# Allegro board reServer industrial J401 Carrier Board v11.brd (continued)
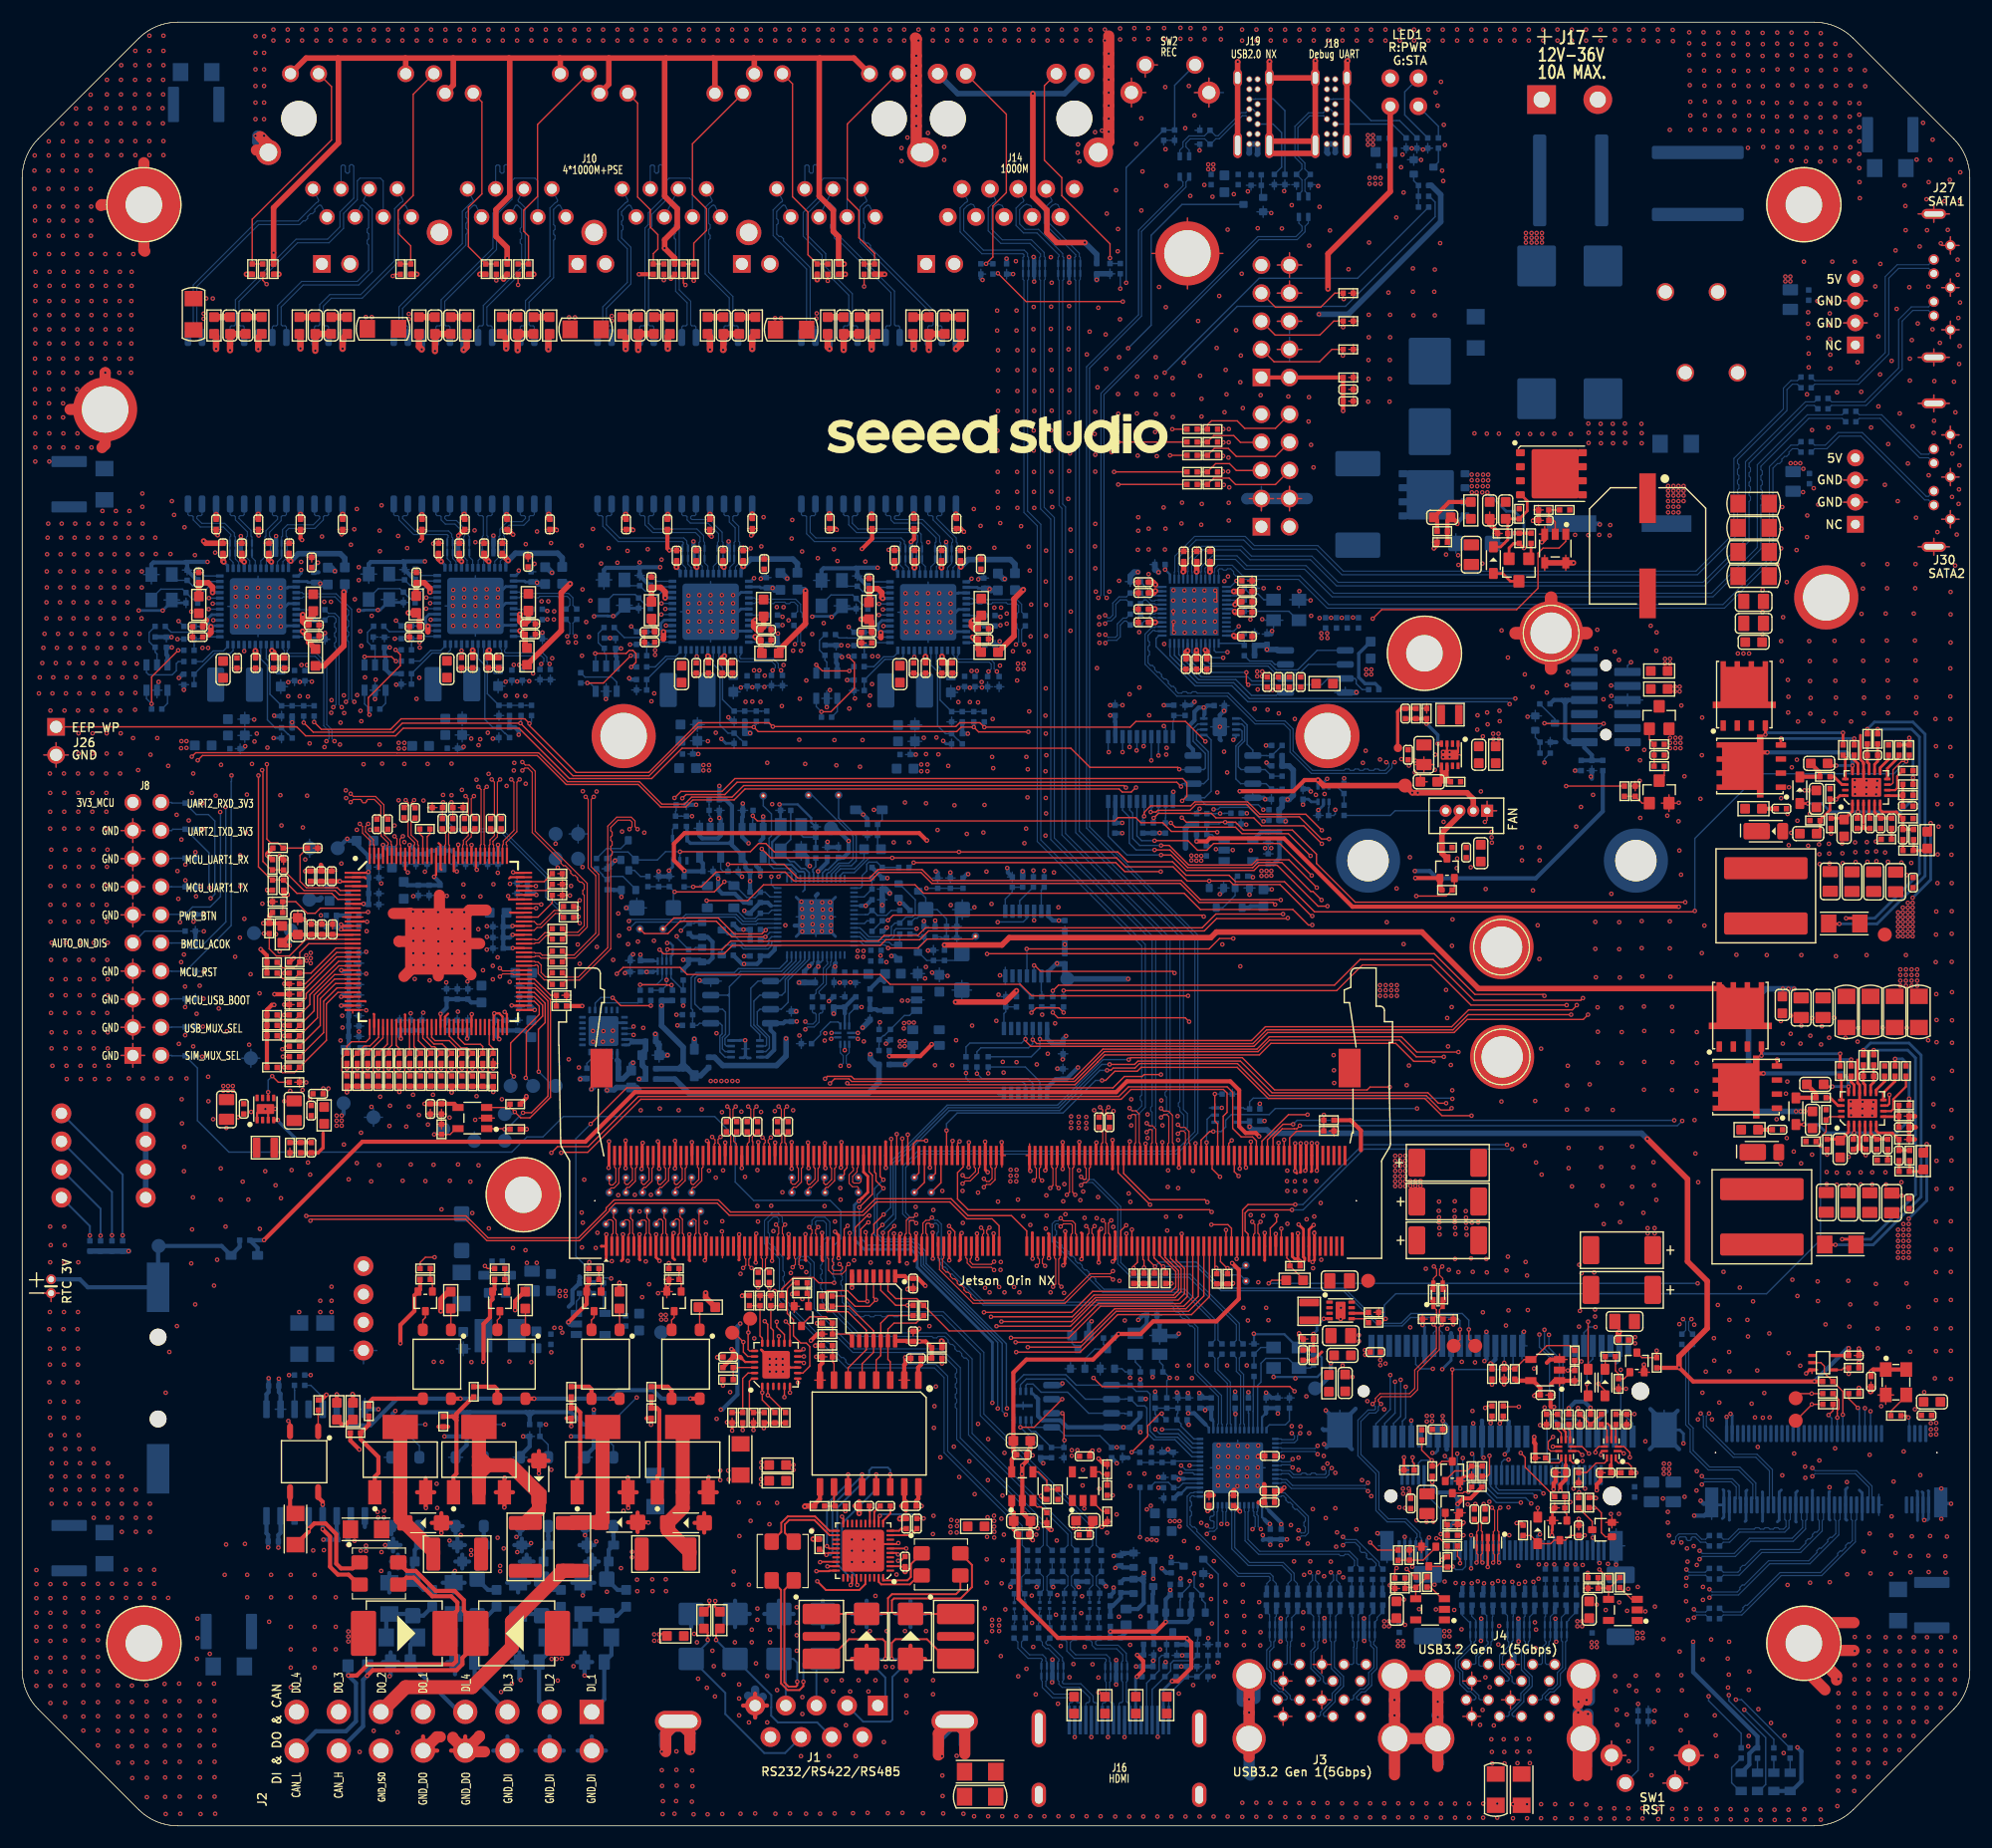
[diagram p0: board, top side]
## Placement (name value [footprint] x y rotation side) (continued)
TP5  Test Point  [TP28C8D]  55.82 81.05 0 top
TP6  Test Point  [TP28C8D]  57.9 81.05 0 top
TP7  Test Point  [TP28C8D]  75.57 58.6 180 top
TP8  Test Point  [TP28C8D]  53.06 57.23 0 top
TP9  Test Point  [TP28C8D]  53.06 58.58 0 top
TP10  Test Point  [TP28C8D]  56.06 57.23 0 top
TP11  Test Point  [TP28C8D]  56.06 58.58 0 top
TP12  Test Point  [TP28C8D]  54.56 57.23 180 top
TP13  Test Point  [TP28C8D]  69.56 58.58 0 top
TP14  Test Point  [TP28C8D]  71.01 58.58 0 top
TP15  Test Point  [TP28C8D]  72.51 58.58 0 top
TP16  Test Point  [TP28C8D]  73.99 58.58 0 top
TP17  Test Point  [TP28C8D]  75.57 57.25 180 top
TP18  Test Point  [TP28C8D]  54.56 58.58 180 top
TP19  Test Point  [TP28C8D]  57.51 57.23 0 top
TP20  Test Point  [TP28C8D]  57.51 58.58 0 top
TP21  Test Point  [TP28C8D]  60.51 57.23 270 top
TP22  Test Point  [TP28C8D]  60.51 58.58 90 top
TP23  Test Point  [TP28C8D]  69.56 57.23 0 top
TP24  Test Point  [TP28C8D]  71.01 57.23 0 top
TP25  Test Point  [TP28C8D]  72.56 57.23 0 top
TP26  Test Point  [TP28C8D]  53.51 55.58 0 top
TP27  Test Point  [TP28C8D]  55.01 55.58 180 top
TP28  Test Point  [TP28C8D]  56.51 55.58 0 top
TP29  Test Point  [TP28C8D]  58.06 55.58 0 top
TP30  Test Point  [TP28C8D]  59.61 55.58 0 top
TP31  Test Point  [TP28C8D]  61.31 55.53 0 top
TP32  Test Point  [TP28C8D]  59.01 57.23 0 top
TP33  Test Point  [TP28C8D]  59.01 58.58 0 top
TP34  Test Point  [TP28C8D]  80.63 57.25 0 top
TP35  Test Point  [TP28C8D]  80.63 58.6 0 top
TP36  Test Point  [TP28C8D]  60.46 54.43 0 top
TP37  Test Point  [TP28C8D]  82.15 57.25 0 top
TP38  Test Point  [TP28C8D]  82.15 58.6 0 top
TP39  Test Point  [TP30C_SMD]  124.32 97.41 90 top
TP40  Test Point  [TP60C_SMD]  29.05 65.3 90 bottom
TP41  Test Point  [TP28C8D]  52.76 54.38 180 top
TP42  Test Point  [TP28C8D]  54.31 54.38 180 top
TP43  Test Point  [TP28C8D]  55.81 54.38 0 top
TP44  Test Point  [TP28C8D]  57.31 54.38 0 top
TP45  Test Point  [TP28C8D]  58.86 54.38 0 top
TP46  Test Point  [TP60C_SMD]  116.83 39.54 180 bottom
TP47  Test Point  [TP60C_SMD]  94.44 76.54 180 bottom
TP48  Test Point  [TP60C_SMD]  12.34 52.4 270 bottom
TP49  Test Point  [TP60C_SMD]  73.09 90.15 180 bottom
TP50  Test Point  [TP60C_SMD]  31.75 64.03 180 bottom
TP51  Test Point  [TP60C_SMD]  40.86 61.9 180 bottom
TP52  Test Point  [TP60C_SMD]  25.95 83.7 270 bottom
TP53  Test Point  [TP60C_SMD]  50.24 89.64 180 bottom
TP54  Test Point  [TP28C8D]  110.59 49.24 90 top
TP55  Test Point  [TP60C_SMD]  20.67 69.37 0 bottom
TP56  Test Point  [TP60C_SMD]  25.97 88.35 180 bottom
TP57  Test Point  [TP60C_SMD]  28.51 88.35 270 bottom
TP58  Test Point  [TP60C_SMD]  24.27 80.93 270 bottom
TP59  Test Point  [TP28C8D]  110.57 50.65 90 top
TP60  Test Point  [TP60C_SMD]  124.96 94.01 0 top
TP61  Test Point  [TP60C_SMD]  44.14 66.87 270 bottom
TP62  Test Point  [TP60C_SMD]  46.17 66.87 270 bottom
TP63  Test Point  [TP60C_SMD]  48.21 66.87 270 bottom
TP64  Test Point  [TP60C_SMD]  50.24 87.4 180 bottom
TP65  Test Point  [TP60C_SMD]  48.21 87.4 180 bottom
TP66  Test Point  [TP60C_SMD]  48.21 89.64 180 bottom
TP67  Test Point  [TP60C_SMD]  20.95 80.67 90 bottom
TP68  Test Point  [TP60C_SMD]  43.61 61.92 90 bottom
TP69  Test Point  [TP60C_SMD]  43.61 64.33 90 bottom
TP70  Test Point  [TP60C_SMD]  38.07 62.97 90 bottom
TP71  Test Point  [TP60C_SMD]  168.31 80.54 0 top
TP72  Test Point  [TP60C_SMD]  57.75 44.59 180 bottom
TP73  Test Point  [TP60C_SMD]  121.63 49.25 0 top
TP74  Test Point  [TP60C_SMD]  131.3 43.38 0 top
TP75  Test Point  [TP60C_SMD]  129.36 43.38 0 top
TP76  Test Point  [TP60C_SMD]  64.16 44.56 0 top
TP77  Test Point  [TP60C_SMD]  65.79 45.83 0 top
TP78  Test Point  [TP60C_SMD]  160.26 38.65 270 top
TP79  Test Point  [TP60C_SMD]  160.26 36.61 270 top
U1  SGM2588CYN5G/TR  [SOT23-5]  127.22 19.57 90 top
U2  TPD4E02B04DQAR  [USON10_0D5_2D5X1X0D5MM]  131.85 17.73 0 bottom
U3  TPD4E02B04DQAR  [USON10_0D5_2D5X1X0D5MM]  135.22 17.73 0 bottom
U4  TPD4E02B04DQAR  [USON10_0D5_2D5X1X0D5MM]  138.59 17.73 0 bottom
U5  SGM2588CYN5G/TR  [SOT23-5]  144.65 19.52 90 top
U6  TXS0104EPWR  [TSSOP14_0D65_5X4D4X1D2MM]  90.79 79.73 180 bottom
U7  TPT71044-SOBR  [SOIC16_1R27_10R3X7R5MM]  26.52 32.83 0 bottom
U8  USB5744T-I/2G  [VQFN56_0D4_7X7X1MM]  109.84 32.36 180 bottom
U9  SY6280AAC  [SOT23-5]  51.38 45.36 90 bottom
U10  IB0505S-W75R3  [CONVERTER4P_2R54_11R6X6MM]  30.84 46.77 90 bottom
U11  GD25Q40ETIGR  [SOIC8_1D27_4_9X3_9MM]  95.73 37.92 90 bottom
U12  GD25Q40EEIGR  [USON8_0D5_3X2X0_6MM]  90.45 37.97 180 bottom
U13  UM805RE  [SOT_143]  101.69 43.57 270 bottom
U14  ETA3410D2I-T  [DFN8G_0D5_2X2MM_3410]  119.14 46.58 0 top
U15  CAT24C02VP2IGT3A  [UDFN8_0D5_2X3X0_6MM]  108.23 99.32 270 bottom
U16  AT24C256C-SSHL-T  [SOIC8_1D27_4_9X3_9MM]  108.51 94.82 270 bottom
U17  SN74LVC1T45DRLR  [SOT6]  117.59 93.2 270 bottom
U18  TXB0108PWR  [TSSOP20-0_65-6_5X4_4X1MM]  101.06 95.5 0 bottom
U19  SN74LV1T125DBVR  [SOT23-5]  62.17 88.85 0 bottom
U20  SN74LV1T125DBVR  [SOT23-5]  66.01 88.82 0 bottom
U21  74LVC1G07GW  [SOT353]  59.43 88.22 180 bottom
U22  LC1458CB5TR18  [SOT23-5]  109.91 88.18 90 bottom
U23  RP2040  [QFN56_0D4_7X7X0_9MM]  71.72 82.15 0 bottom
U24  TXB0302DQMR  [X2SON8_0D4_1_8X1_2X0_4MM]  58.03 77.69 0 bottom
U25  MP9928GL-Z  [QFN20_0D5_3X4X1MM_PAD]  166.29 64.84 90 top
U26  LC1458CB5TR33  [SOT23-5]  79.54 74.64 270 bottom
U27  GD25Q40EEIGR  [USON8_0D5_3X2X0_6MM]  65.36 70.22 90 bottom
U28  GD25Q40ETIGR  [SOIC8_1D27_4_9X3_9MM]  64.93 74.43 90 bottom
U29  SGM7222YWQ10/TR  [WQFN10_0D4_1_8X1_4X0_75MM]  74.33 71.46 270 bottom
U30  LAN7430-I/Y9X  [QFN48_0D5_7X7MM]  40.96 110.24 270 bottom
U31  MP9928GL-Z  [QFN20_0D5_3X4X1MM_PAD]  166.64 93.85 90 top
U32  TPD4E02B04DQAR  [USON10_0D5_2D5X1X0D5MM]  19.77 115.48 180 bottom
U33  74LVC1G07GW  [SOT353]  108.81 64.24 90 bottom
U34  74LVC1G07GW  [SOT353]  162.73 41.86 270 top
U35  SY6280AAC  [SOT23-5]  95.86 30.7 0 top
U36  SY6280AAC  [SOT23-5]  90.37 30.69 0 top
U37  93LC66AT-I/OT  [SOT23_6]  12.19 103.77 180 bottom
U38  LAN7430-I/Y9X  [QFN48_0D5_7X7MM]  21.32 110.2 270 bottom
U39  TPD4E02B04DQAR  [USON10_0D5_2D5X1X0D5MM]  93.1 13.99 0 bottom
U40  TPD4E02B04DQAR  [USON10_0D5_2D5X1X0D5MM]  98.86 13.94 0 bottom
U41  TPD4E02B04DQAR  [USON10_0D5_2D5X1X0D5MM]  117.69 17.73 0 bottom
U42  F81439N  [QFN40_0D4_5X5MM]  76 24.86 180 top
U43  TPD4E02B04DQAR  [USON10_0D5_2D5X1X0D5MM]  132.44 25.6 180 top
U44  ISO6742DWR  [SOIC16_1R27_10R3X7R5MM]  76.54 35.46 180 top
U45  SGM7222YWQ10/TR  [WQFN10_0D4_1_8X1_4X0_75MM]  139.48 34.07 90 top
U46  SGM7222YWQ10/TR  [WQFN10_0D4_1_8X1_4X0_75MM]  143.6 34.07 90 top
U47  TXB0104PWR  [TSSOP14_0D65_5X4D4X1D2MM]  76.93 46.76 180 top
U48  LAN7430-I/Y9X  [QFN48_0D5_7X7MM]  62.21 109.72 270 bottom
U49  NCP301LSN20T1G  [SOT23-5]  138.53 115.43 180 top
U51  PCA9535RGER  [VQFN24_0D5_4X4X1MM]  68.13 41.67 90 top
U52  93LC66AT-I/OT  [SOT23_6]  31.89 103.77 180 bottom
U53  SN74LV1T125DBVR  [SOT23-5]  137.62 41.19 90 top
U54  CP2102N-A02-GQFN24R  [QFN24_0D5_4X4MM]  52.53 71.82 180 bottom
U55  93LC66AT-I/OT  [SOT23_6]  52.78 103.67 180 bottom
U56  TPD4E02B04DQAR  [USON10_0D5_2D5X1X0D5MM]  60.67 114.99 180 bottom
U57  TXB0104PWR  [TSSOP14_0D65_5X4D4X1D2MM]  90.67 69.13 180 bottom
U59  TPD4E02B04DQAR  [USON10_0D5_2D5X1X0D5MM]  22.94 115.48 180 bottom
U60  TPD4E02B04DQAR  [USON10_0D5_2D5X1X0D5MM]  94.61 140.74 180 bottom
U61  TPD4E02B04DQAR  [USON10_0D5_2D5X1X0D5MM]  91.44 140.74 180 bottom
U63  PI7C9X2G404SLBFDE  [LQFP128_0D4_16X16X1_6MM]  37.61 79.93 0 top
U64  ETA3410D2I-T  [DFN8G_0D5_2X2MM_3410]  21.98 64.78 90 top
U65  FT24C32A-ELRT  [SOT23-5]  40.68 63.96 90 top
U66  TPD4E02B04DQAR  [USON10_0D5_2D5X1X0D5MM]  39.41 115.52 180 bottom
U67  TPD4E02B04DQAR  [USON10_0D5_2D5X1X0D5MM]  42.59 115.52 180 bottom
U68  TPD4E02B04DQAR  [USON10_0D5_2D5X1X0D5MM]  121.24 17.73 0 bottom
U69  TPD4E02B04DQAR  [USON10_0D5_2D5X1X0D5MM]  113.72 17.73 0 bottom
U70  TPD4E02B04DQAR  [USON10_0D5_2D5X1X0D5MM]  63.84 114.99 180 bottom
U71  LAN7430-I/Y9X  [QFN48_0D5_7X7MM]  81.87 109.67 270 bottom
U72  93LC66AT-I/OT  [SOT23_6]  72.71 103.03 180 bottom
U73  TPD4E02B04DQAR  [USON10_0D5_2D5X1X0D5MM]  80.32 114.95 180 bottom
U74  TPD4E02B04DQAR  [USON10_0D5_2D5X1X0D5MM]  83.5 114.95 180 bottom
U75  GD25Q40ETIGR  [SOIC8_1D27_4_9X3_9MM]  116.86 104.32 270 bottom
U76  JMB582QH  [QFN48_0D4_6X6_EP]  105.92 109.76 90 bottom
U77  ETA3410D2I-T  [DFN8G_0D5_2X2MM_3410]  129 96.79 270 top
X1  25MHz CL=12pF  [X4-SMD-3_2X2_5X1_0MM]  114.23 42.31 0 bottom
X2  12MHz CL=18pF  [X4-SMD-3_2X2_5X1_0MM]  69.47 89.27 270 bottom
X3  25MHz CL=12pF  [X4-SMD-3_2X2_5X1_0MM]  12.6 111.93 270 bottom
X4  25MHz CL=12pF  [X4-SMD-3_2X2_5X1_0MM]  32.25 111.97 270 bottom
X5  25MHz CL=12pF  [X4-SMD-3_2X2_5X1_0MM]  53.5 111.45 270 bottom
X6  25MHz CL=12pF  [X4-SMD-3_2X2_5X1_0MM]  73.16 111.4 270 bottom
X7  25MHz 18pF  [X4-SMD-3_2X2_5X1_0MM]  114.23 109.88 0 bottom

## Library data of the parts
C1 C2 C4-C64 C67-C146 C149-C202 C204-C237 C239 C241 C243-C261 C264-C286 C290-C302 C305 C314-C426 C428-C463 C465-C503 C505-C564 C568-C573 C576 C577 C579-C584 = CC
C3 C65 C66 C147 C148 C203 C238 C240 C242 = CT
D1 D3-D10 D20 D22-D25 D27 D28 D30 D35 D37 D42 D43 D45 D46 D49-D60 D65 D66 D68 D71-D79 D90-D93 D95-D100 D102-D104 = DIODE TVS BI-DIR
D2 = DIODE TVS BI-DIR DUAL
D11-D14 D21 D32 D33 D38 D44 D61-D64 = DIODE TVS
D15-D19 D26 D29 D31 D34 D36 D39-D41 D47 D48 D67 D69 D70 D87-D89 D94 = D_Schottky
F1-F5 = Fuse
FB1-FB36 = FB
G1 G2 = GDT_2P
J1 = DB9
J2 = Terminal 2X8
J3 J4 = USB3.0_Dual Type A_18+4P
J5 = MINI_PCIE_52P_For_EG25-G
J6 = CON_M2_PCI_EXP_KEYB
J7 = Header 1x4
J8 = Header 2x10
J9 = CON_SODIMM260_JETSON_Orin NX
J10 = RJ45_1x4_LPJE104-0BENL
J11 = Header 2x7 13P
J12 J13 J17 J20 J23 J24 J26 = Header 1x2
J14 = RJ45_LPJG0933H11NL
J15 J25 = Header 2X5
J16 = HDMI_Type A_19P
J18 J19 = USB2.0_Type C_16+4P-Vert
J21 = PCIe_M.2_Key M_75Pin
J22 = BAT Holder 2P
J27 J30 = SATA-03A125
J28 J29 = Header_4P
L1-L9 L24 L25 L29 L37-L39 = CL
L10-L13 L15-L23 L30 L34-L36 L40 L41 = L
L14 L26-L28 = CLT
LED1 = LED_R+G
LED2-LED5 = Single LED
MH1-MH4 MH7-MH10 MH14-MH16 = Mhole
MH5 MH6 MH11-MH13 = MHole
OSC2 = OSC_4P
Q1 Q6 Q7 Q9-Q11 Q13-Q15 Q19-Q22 Q24-Q26 Q32 Q33 Q38-Q42 Q48 Q52 Q54-Q56 = NMOS_123
Q2-Q5 Q34-Q37 = Optoisolator_4P
Q8 Q53 = PMOS_123
Q12 Q16 Q43 Q45 = NMOS_5P_1S2S3S4G5D
Q17 Q46 = PMOS_9P
Q18 Q23 = NPN
Q27 = OptoMOS Relay
Q28-Q31 = NMOS_1G2D3S4D
Q44 = PNP
R1-R5 R10-R226 R229-R289 R291-R339 R344-R613 R617 R619 R621 R622 R624 R625 = R
R6-R9 R227 R228 = VDR
R290 = R: signal model: DEFAULT_RESISTOR_120.000000OHM_1_2
R340-R343 = R: signal model: DEFAULT_RESISTOR_100.000000OHM_1_2
SW1 SW2 = Tactile Switch_2+2P
SW3 = DIP Switches_4CH
T1-T4 = LP5004NL
TBU1 TBU2 = TBU_3P
TISP1 TISP2 = TISP
TP1-TP79 = Test Point
U1 U5 = TPS2051BDBV
U2-U4 U32 U39-U41 U43 U56 U59-U61 U66-U70 U73 U74 = TPD4E05U06DQAR
U6 U47 U57 = TXB0104PW
U7 = TPT71044-SOBR
U8 = USB5744
U9 U35 U36 = SY6280
U10 = Isolate DCDC
U11 U28 U75 = QSPI_8P
U12 U27 = QSPI_9P
U13 = UM805_4P
U14 U64 U77 = ETA3410
U15 = EEPROM_8+1P
U16 = CAT24C256
U17 = SN74LVC1T45DRLR
U18 = TXS0108EPWR
U19-U21 U33 U34 U53 = SN74LVC1G07DCK
U22 U26 = LDO_5P_FB_EN
U23 = RP2040
U24 = TXB0302
U25 U31 = MP9928GL
U29 U45 U46 = SGM7222
U30 U38 U48 U71 = LAN7430
U37 U52 U55 U72 = 93LC66AT-I/OT
U42 = F81439N
U44 = ISO6742
U49 = NCP301LSN20T1
U51 = PCA9535RGE
U54 = CP2102N
U63 = PI7C9X2G404SLBFD
U65 = MEM_24LC32_SOT23-5
U76 = JMB582QH
X1-X7 = XTAL_4P

## Footprints (pads in the part's own frame, mm; a bottom-side part is the same pattern mirrored in y, then rotated)
AVX_C
  rrect 1.524x2.54 smd: 1(-2.794,0) 2(2.794,0)
BAT-CR1220
  round 1.524 hole 1.524 unplated: (0,-3.7) (0,3.7)
  rect 2.032x4.47 smd: 1(0,8.2) 2(0,-8.2)
C0402
  rrect 0.5x0.5 smd: 1(-0.463,0) 2(0.463,0)
C0603
  rrect 0.889x0.889 smd: 1(-0.762,0) 2(0.762,0)
C0805
  rrect 1.016x1.397 smd: 1(-0.889,0) 2(0.889,0)
C1206
  rect 1.397x1.626 smd: 1(-1.41,0) 2(1.41,0)
C4532
  rrect 1x3.2 smd: 1(-2.05,0) 2(2.05,0)
CAE-10_5X10_5X10_5MM-S
  rect 4.5x1.5 smd: 1(-4.3,0) 2(4.3,0)
CON_MINIPEX_067_SMT_RA_M2_KEYE_B
  round 1.2 hole 1.2 unplated: (-10,0)
  round 1.7 hole 1.7 unplated: (10,0)
  rrect 0.3x1.8 smd: 1(-9.25,4.9) 2(-9,-1.9) 3(-8.75,4.9) 4(-8.5,-1.9) 5(-8.25,4.9) 6(-8,-1.9) 7(-7.75,4.9) 8(-7.5,-1.9) 9(-7.25,4.9) 10(-7,-1.9) 11(-6.75,4.9) 20(-4.5,-1.9) 21(-4.25,4.9) 22(-4,-1.9) 23(-3.75,4.9) 24(-3.5,-1.9) 25(-3.25,4.9) 26(-3,-1.9) 27(-2.75,4.9) 28(-2.5,-1.9) 29(-2.25,4.9) 30(-2,-1.9) 31(-1.75,4.9) 32(-1.5,-1.9) 33(-1.25,4.9) 34(-1,-1.9) 35(-0.75,4.9) 36(-0.5,-1.9) 37(-0.25,4.9) 38(0,-1.9) 39(0.25,4.9) 40(0.5,-1.9) 41(0.75,4.9) 42(1,-1.9) 43(1.25,4.9) 44(1.5,-1.9) 45(1.75,4.9) 46(2,-1.9) 47(2.25,4.9) 48(2.5,-1.9) 49(2.75,4.9) 50(3,-1.9) 51(3.25,4.9) 52(3.5,-1.9) 53(3.75,4.9) 54(4,-1.9) 55(4.25,4.9) 56(4.5,-1.9) 57(4.75,4.9) 58(5,-1.9) 59(5.25,4.9) 60(5.5,-1.9) 61(5.75,4.9) 62(6,-1.9) 63(6.25,4.9) 64(6.5,-1.9) 65(6.75,4.9) 66(7,-1.9) 67(7.25,4.9) 68(7.5,-1.9) 69(7.75,4.9) 70(8,-1.9) 71(8.25,4.9) 72(8.5,-1.9) 73(8.75,4.9) 74(9,-1.9) 75(9.25,4.9)
  rect 1.2x2.7 smd: 76(-10.35,4.5) 77(10.35,4.5)
CON_SODIMM_260_SMT_0D5_AS0A821_H2SB_7H
  round 0.13 hole 1.1 unplated: (-34.4,0.1)
  round 0.13 hole 1.6 unplated: (34.4,0.1)
  rect 0.28x1.75 smd: 1(33.375,4.2) 2(33.125,-4) 3(32.875,4.2) 4(32.625,-4) 5(32.375,4.2) 6(32.125,-4) 7(31.875,4.2) 8(31.625,-4) 9(31.375,4.2) 10(31.125,-4) 11(30.875,4.2) 12(30.625,-4) 13(30.375,4.2) 14(30.125,-4) 15(29.875,4.2) 16(29.625,-4) 17(29.375,4.2) 18(29.125,-4) 19(28.875,4.2) 20(28.625,-4) 21(28.375,4.2) 22(28.125,-4) 23(27.875,4.2) 24(27.625,-4) 25(27.375,4.2) 26(27.125,-4) 27(26.875,4.2) 28(26.625,-4) 29(26.375,4.2) 30(26.125,-4) 31(25.875,4.2) 32(25.625,-4) 33(25.375,4.2) 34(25.125,-4) 35(24.875,4.2) 36(24.625,-4) 37(24.375,4.2) 38(24.125,-4) 39(23.875,4.2) 40(23.625,-4) 41(23.375,4.2) 42(23.125,-4) 43(22.875,4.2) 44(22.625,-4) 45(22.375,4.2) 46(22.125,-4) 47(21.875,4.2) 48(21.625,-4) 49(21.375,4.2) 50(21.125,-4) 51(20.875,4.2) 52(20.625,-4) 53(20.375,4.2) 54(20.125,-4) 55(19.875,4.2) 56(19.625,-4) 57(19.375,4.2) 58(19.125,-4) 59(18.875,4.2) 60(18.625,-4) 61(18.375,4.2) 62(18.125,-4) 63(17.875,4.2) 64(17.625,-4) 65(17.375,4.2) 66(17.125,-4) 67(16.875,4.2) 68(16.625,-4) 69(16.375,4.2) 70(16.125,-4) 71(15.875,4.2) 72(15.625,-4) 73(15.375,4.2) 74(15.125,-4) 75(14.875,4.2) 76(14.625,-4) 77(14.375,4.2) 78(14.125,-4) 79(13.875,4.2) 80(13.625,-4) 81(13.375,4.2) 82(13.125,-4) 83(12.875,4.2) 84(12.625,-4) 85(12.375,4.2) 86(12.125,-4) 87(11.875,4.2) 88(11.625,-4) 89(11.375,4.2) 90(11.125,-4) 91(10.875,4.2) 92(10.625,-4) 93(10.375,4.2) 94(10.125,-4) 95(9.875,4.2) 96(9.625,-4) 97(9.375,4.2) 98(9.125,-4) 99(8.875,4.2) 100(8.625,-4) 101(8.375,4.2) 102(8.125,-4) 103(7.875,4.2) 104(7.625,-4) 105(7.375,4.2) 106(7.125,-4) 107(6.875,4.2) 108(6.625,-4) 109(6.375,4.2) 110(6.125,-4) 111(5.875,4.2) 112(5.625,-4) 113(5.375,4.2) 114(5.125,-4) 115(4.875,4.2) 116(4.625,-4) 117(4.375,4.2) 118(4.125,-4) 119(3.875,4.2) 120(3.625,-4) 121(3.375,4.2) 122(3.125,-4) 123(2.875,4.2) 124(2.625,-4) 125(2.375,4.2) 126(2.125,-4) 127(1.875,4.2) 128(1.625,-4) 129(1.375,4.2) 130(1.125,-4) 131(0.875,4.2) 132(0.625,-4) 133(0.375,4.2) 134(0.125,-4) 135(-0.125,4.2) 136(-0.375,-4) 137(-0.625,4.2) 138(-0.875,-4) 139(-1.125,4.2) 140(-1.375,-4) 141(-1.625,4.2) 142(-1.875,-4) 143(-2.125,4.2) 144(-2.375,-4) 145(-4.625,4.2) 146(-4.875,-4) 147(-5.125,4.2) 148(-5.375,-4) 149(-5.625,4.2) 150(-5.875,-4) 151(-6.125,4.2) 152(-6.375,-4) 153(-6.625,4.2) 154(-6.875,-4) 155(-7.125,4.2) 156(-7.375,-4) 157(-7.625,4.2) 158(-7.875,-4) 159(-8.125,4.2) 160(-8.375,-4) 161(-8.625,4.2) 162(-8.875,-4) 163(-9.125,4.2) 164(-9.375,-4) 165(-9.625,4.2) 166(-9.875,-4) 167(-10.125,4.2) 168(-10.375,-4) 169(-10.625,4.2) 170(-10.875,-4) 171(-11.125,4.2) 172(-11.375,-4) 173(-11.625,4.2) 174(-11.875,-4) 175(-12.125,4.2) 176(-12.375,-4) 177(-12.625,4.2) 178(-12.875,-4) 179(-13.125,4.2) 180(-13.375,-4) 181(-13.625,4.2) 182(-13.875,-4) 183(-14.125,4.2) 184(-14.375,-4) 185(-14.625,4.2) 186(-14.875,-4) 187(-15.125,4.2) 188(-15.375,-4) 189(-15.625,4.2) 190(-15.875,-4) 191(-16.125,4.2) 192(-16.375,-4) 193(-16.625,4.2) 194(-16.875,-4) 195(-17.125,4.2) 196(-17.375,-4) 197(-17.625,4.2) 198(-17.875,-4) 199(-18.125,4.2) 200(-18.375,-4) 201(-18.625,4.2) 202(-18.875,-4) 203(-19.125,4.2) 204(-19.375,-4) 205(-19.625,4.2) 206(-19.875,-4) 207(-20.125,4.2) 208(-20.375,-4) 209(-20.625,4.2) 210(-20.875,-4) 211(-21.125,4.2) 212(-21.375,-4) 213(-21.625,4.2) 214(-21.875,-4) 215(-22.125,4.2) 216(-22.375,-4) 217(-22.625,4.2) 218(-22.875,-4) 219(-23.125,4.2) 220(-23.375,-4) 221(-23.625,4.2) 222(-23.875,-4) 223(-24.125,4.2) 224(-24.375,-4) 225(-24.625,4.2) 226(-24.875,-4) 227(-25.125,4.2) 228(-25.375,-4) 229(-25.625,4.2) 230(-25.875,-4) 231(-26.125,4.2) 232(-26.375,-4) 233(-26.625,4.2) 234(-26.875,-4) 235(-27.125,4.2) 236(-27.375,-4) 237(-27.625,4.2) 238(-27.875,-4) 239(-28.125,4.2) 240(-28.375,-4) 241(-28.625,4.2) 242(-28.875,-4) 243(-29.125,4.2) 244(-29.375,-4) 245(-29.625,4.2) 246(-29.875,-4) 247(-30.125,4.2) 248(-30.375,-4) 249(-30.625,4.2) 250(-30.875,-4) 251(-31.125,4.2) 252(-31.375,-4) 253(-31.625,4.2) 254(-31.875,-4) 255(-32.125,4.2) 256(-32.375,-4) 257(-32.625,4.2) 258(-32.875,-4) 259(-33.125,4.2) 260(-33.375,-4)
  rect 2x3.5 smd: 261(-33.8,-11.9) 262(33.8,-11.9)
CONVERTER4P_2R54_11R6X6MM
  round 1.8 hole 1: 1(-3.81,0) 2(-1.27,0) 3(1.27,0) 4(3.81,0)
D0402
  rrect 0.5x0.5 smd: 1(-0.463,0) 2(0.463,0)
DFN8G_0D5_2X2MM_3410
  rrect 0.6x0.3 smd: 1(-1,0.75) 2(-1,0.25) 3(-1,-0.25) 4(-1,-0.75) 5(1,-0.75) 6(1,-0.25) 7(1,0.25) 8(1,0.75)
  rrect 0.9x1.6 smd: 9(0,0)
DO_214AA_SMB
  rrect 2.032x2.286 smd: 1(-2.032,0) 2(2.032,0)
DO_214AB_SMC
  rrect 2.286x4.064 smd: 1(-3.683,0) 2(3.683,0)
DSUB9P_1D385_31X18_59X12_48MM
  rect 1.8x1.8 hole 1.036: 1(5.54,-2.84)
  round 1.8 hole 1.036: 2(2.77,-2.84) 3(0,-2.84) 4(-2.77,-2.84) 5(-5.54,-2.84) 6(4.155,0) 7(1.385,0) 8(-1.385,0) 9(-4.155,0)
  oval 4.2x1.9 hole 3.5x1.2: 10(-12.495,-1.42) 11(12.495,-1.42)
F1812
  rrect 1.27x3 smd: 1(-2.159,0) 2(2.159,0)
FUSE2P_HOLDER_9_73X5_03X3_81MM
  rrect 4.24x3.81 smd: 1(-3.185,0) 2(3.185,0)
GDT2P_5D6_8_3X5_5X8_3MM
  rrect 1.2x8.3 smd: 1(-2.8,0) 2(2.8,0)
HDMI19P_0D5_15X12_15X6_18MM
  rrect 0.3x2.6 smd: 1(4.5,0) 2(4,0) 3(3.5,0) 4(3,0) 5(2.5,0) 6(2,0) 7(1.5,0) 8(1,0) 9(0.5,0) 10(0,0) 11(-0.5,0) 12(-1,0) 13(-1.5,0) 14(-2,0) 15(-2.5,0) 16(-3,0) 17(-3.5,0) 18(-4,0) 19(-4.5,0)
  oval 1.3x3.4 hole 0.7x2.8: 20(7.25,-0.76) 21(-7.25,-0.76)
  oval 1.3x2.2 hole 0.7x1.6: 22(7.25,-6.76) 23(-7.25,-6.76)
HEADER2P_1D25_DIP
  round 0.9 hole 0.55: 1(0.625,0) 2(-0.625,0)
HEADER2P_2D54_DIP
  rect 1.6x1.6 hole 1.1: 1(0,1.27)
  round 1.6 hole 1.1: 2(0,-1.27)
HEADER2X5P_2D54_1_DIP
  rect 1.6x1.6 hole 1.1: 1(-1.27,5.08)
  round 1.6 hole 1.1: 2(1.27,5.08) 3(-1.27,2.54) 4(1.27,2.54) 5(-1.27,0) 6(1.27,0) 7(-1.27,-2.54) 8(1.27,-2.54) 9(-1.27,-5.08) 10(1.27,-5.08)
HEADER2X7P_1D27_SMD_NP_EPT14
  round 1.05 hole 1.05 unplated: (-3.125,0) (3.125,0)
  rrect 0.74x2.4 smd: 1(-3.81,-1.95) 2(-3.81,1.95) 3(-2.54,-1.95) 4(-2.54,1.95) 5(-1.27,-1.95) 6(-1.27,1.95) 7(0,-1.95) 8(0,1.95) 9(1.27,-1.95) 10(1.27,1.95) 11(2.54,-1.95) 12(2.54,1.95) 13(3.81,-1.95)
HEADER2X10P_2D54_DIP_90
  rect 1.524x1.524 hole 1.016: 1(0,13.97)
  round 1.524 hole 1.016: 2(2.54,13.97) 3(0,11.43) 4(2.54,11.43) 5(0,8.89) 6(2.54,8.89) 7(0,6.35) 8(2.54,6.35) 9(0,3.81) 10(2.54,3.81) 11(0,1.27) 12(2.54,1.27) 13(0,-1.27) 14(2.54,-1.27) 15(0,-3.81) 16(2.54,-3.81) 17(0,-6.35) 18(2.54,-6.35) 19(0,-8.89) 20(2.54,-8.89)
HEADER4P-2_0-GROVE-DIP
  rect 1.524x1.524 hole 0.813: 1(0,3)
  round 1.524 hole 0.813: 2(0,1) 3(0,-1) 4(0,-3)
JST4P_1D25_6_75X3_2X4_7MM
  rect 1.1x1.1 hole 0.6: 1(-1.875,0)
  round 1.1 hole 0.6: 2(-0.625,0) 3(0.625,0) 4(1.875,0)
L2P_5D0_9X8_5X4_8MM
  rrect 7.55x2 smd: 1(0,2.5) 2(0,-2.5)
L4P_4_75X4_5X_2MM
  rrect 1.5x1.3 smd: 1(-1.75,1) 2(-1.75,-1) 3(1.75,-1) 4(1.75,1)
L4P_15X13X6_5MM
  rrect 3.7x3.5 smd: 1(-6,3) 2(-6,-3) 3(6,-3) 4(6,3)
L4X4MM
  rect 1.6x3 smd: 1(-1.5,0) 2(1.5,0)
L0201
  rrect 0.279x0.318 smd: 1(-0.279,0) 2(0.279,0)
L0402
  rrect 0.5x0.5 smd: 1(-0.463,0) 2(0.463,0)
L0603
  rrect 0.889x0.889 smd: 1(-0.762,0) 2(0.762,0)
L2012
  rrect 0.75x0.4 smd: 1(-0.925,0.425) 2(0.925,0.425) 3(0.925,-0.425) 4(-0.925,-0.425)
L2016
  rrect 0.7x1.8 smd: 1(-0.8,0) 2(0.8,0)
L4242
  rrect 1.55x3.1 smd: 1(-1.75,0) 2(1.75,0)
LED4_2D54_9X4_3X9_65MM
  round 1.6 hole 0.9: 1(1.27,2.54) 2(-1.27,2.54) 3(1.27,0) 4(-1.27,0)
LED0603
  rect 0.762x1.016 smd: 1(-0.826,0) 2(0.826,0)
LQFP128_0D4_16X16X1_6MM
  rect 1.475x0.2 smd: 1(-7.738,6.2) 2(-7.738,5.8) 3(-7.738,5.4) 4(-7.738,5) 5(-7.738,4.6) 6(-7.738,4.2) 7(-7.738,3.8) 8(-7.738,3.4) 9(-7.738,3) 10(-7.738,2.6) 11(-7.738,2.2) 12(-7.738,1.8) 13(-7.738,1.4) 14(-7.738,1) 15(-7.738,0.6) 16(-7.738,0.2) 17(-7.738,-0.2) 18(-7.738,-0.6) 19(-7.738,-1) 20(-7.738,-1.4) 21(-7.738,-1.8) 22(-7.738,-2.2) 23(-7.738,-2.6) 24(-7.738,-3) 25(-7.738,-3.4) 26(-7.738,-3.8) 27(-7.738,-4.2) 28(-7.738,-4.6) 29(-7.738,-5) 30(-7.738,-5.4) 31(-7.738,-5.8) 32(-7.738,-6.2) 65(7.738,-6.2) 66(7.738,-5.8) 67(7.738,-5.4) 68(7.738,-5) 69(7.738,-4.6) 70(7.738,-4.2) 71(7.738,-3.8) 72(7.738,-3.4) 73(7.738,-3) 74(7.738,-2.6) 75(7.738,-2.2) 76(7.738,-1.8) 77(7.738,-1.4) 78(7.738,-1) 79(7.738,-0.6) 80(7.738,-0.2) 81(7.738,0.2) 82(7.738,0.6) 83(7.738,1) 84(7.738,1.4) 85(7.738,1.8) 86(7.738,2.2) 87(7.738,2.6) 88(7.738,3) 89(7.738,3.4) 90(7.738,3.8) 91(7.738,4.2) 92(7.738,4.6) 93(7.738,5) 94(7.738,5.4) 95(7.738,5.8) 96(7.738,6.2)
  rect 0.2x1.475 smd: 33(-6.2,-7.738) 34(-5.8,-7.738) 35(-5.4,-7.738) 36(-5,-7.738) 37(-4.6,-7.738) 38(-4.2,-7.738) 39(-3.8,-7.738) 40(-3.4,-7.738) 41(-3,-7.738) 42(-2.6,-7.738) 43(-2.2,-7.738) 44(-1.8,-7.738) 45(-1.4,-7.738) 46(-1,-7.738) 47(-0.6,-7.738) 48(-0.2,-7.738) 49(0.2,-7.738) 50(0.6,-7.738) 51(1,-7.738) 52(1.4,-7.738) 53(1.8,-7.738) 54(2.2,-7.738) 55(2.6,-7.738) 56(3,-7.738) 57(3.4,-7.738) 58(3.8,-7.738) 59(4.2,-7.738) 60(4.6,-7.738) 61(5,-7.738) 62(5.4,-7.738) 63(5.8,-7.738) 64(6.2,-7.738) 97(6.2,7.738) 98(5.8,7.738) 99(5.4,7.738) 100(5,7.738) 101(4.6,7.738) 102(4.2,7.738) 103(3.8,7.738) 104(3.4,7.738) 105(3,7.738) 106(2.6,7.738) 107(2.2,7.738) 108(1.8,7.738) 109(1.4,7.738) 110(1,7.738) 111(0.6,7.738) 112(0.2,7.738) 113(-0.2,7.738) 114(-0.6,7.738) 115(-1,7.738) 116(-1.4,7.738) 117(-1.8,7.738) 118(-2.2,7.738) 119(-2.6,7.738) 120(-3,7.738) 121(-3.4,7.738) 122(-3.8,7.738) 123(-4.2,7.738) 124(-4.6,7.738) 125(-5,7.738) 126(-5.4,7.738) 127(-5.8,7.738) 128(-6.2,7.738)
  rrect 6x6 smd: 129(0,0)
M2_075_GEN4_MKEY_21_9X5_9MM
  round 0.13 hole 1.1 unplated: (-10,0)
  round 0.13 hole 1.6 unplated: (10,0)
  rrect 0.3x1.55 smd: 1(-9.25,4.725) 2(-9,-1.725) 3(-8.75,4.725) 4(-8.5,-1.725) 5(-8.25,4.725) 6(-8,-1.725) 7(-7.75,4.725) 8(-7.5,-1.725) 9(-7.25,4.725) 10(-7,-1.725) 11(-6.75,4.725) 12(-6.5,-1.725) 13(-6.25,4.725) 14(-6,-1.725) 15(-5.75,4.725) 16(-5.5,-1.725) 17(-5.25,4.725) 18(-5,-1.725) 19(-4.75,4.725) 20(-4.5,-1.725) 21(-4.25,4.725) 22(-4,-1.725) 23(-3.75,4.725) 24(-3.5,-1.725) 25(-3.25,4.725) 26(-3,-1.725) 27(-2.75,4.725) 28(-2.5,-1.725) 29(-2.25,4.725) 30(-2,-1.725) 31(-1.75,4.725) 32(-1.5,-1.725) 33(-1.25,4.725) 34(-1,-1.725) 35(-0.75,4.725) 36(-0.5,-1.725) 37(-0.25,4.725) 38(0,-1.725) 39(0.25,4.725) 40(0.5,-1.725) 41(0.75,4.725) 42(1,-1.725) 43(1.25,4.725) 44(1.5,-1.725) 45(1.75,4.725) 46(2,-1.725) 47(2.25,4.725) 48(2.5,-1.725) 49(2.75,4.725) 50(3,-1.725) 51(3.25,4.725) 52(3.5,-1.725) 53(3.75,4.725) 54(4,-1.725) 55(4.25,4.725) 56(4.5,-1.725) 57(4.75,4.725) 58(5,-1.725) 67(7.25,4.725) 68(7.5,-1.725) 69(7.75,4.725) 70(8,-1.725) 71(8.25,4.725) 72(8.5,-1.725) 73(8.75,4.725) 74(9,-1.725) 75(9.25,4.725)
  rect 1.2x2.7 smd: 76(-10.35,4.5) 77(10.35,4.5)
PCIE52_0D8_56X30_2X4MM
  round 1.1 hole 1.1 unplated: (0,-12.5)
  round 1.6 hole 1.6 unplated: (0,12.5)
  rect 2x0.55 smd: 1(-4.1,11.8) 2(4.1,11.4) 3(-4.1,11) 4(4.1,10.6) 5(-4.1,10.2) 6(4.1,9.8) 7(-4.1,9.4) 8(4.1,9) 9(-4.1,8.6) 10(4.1,8.2) 11(-4.1,7.8) 12(4.1,7.4) 13(-4.1,7) 14(4.1,6.6) 15(-4.1,6.2) 16(4.1,5.8) 17(-4.1,2.2) 18(4.1,1.8) 19(-4.1,1.4) 20(4.1,1) 21(-4.1,0.6) 22(4.1,0.2) 23(-4.1,-0.2) 24(4.1,-0.6) 25(-4.1,-1) 26(4.1,-1.4) 27(-4.1,-1.8) 28(4.1,-2.2) 29(-4.1,-2.6) 30(4.1,-3) 31(-4.1,-3.4) 32(4.1,-3.8) 33(-4.1,-4.2) 34(4.1,-4.6) 35(-4.1,-5) 36(4.1,-5.4) 37(-4.1,-5.8) 38(4.1,-6.2) 39(-4.1,-6.6) 40(4.1,-7) 41(-4.1,-7.4) 42(4.1,-7.8) 43(-4.1,-8.2) 44(4.1,-8.6) 45(-4.1,-9) 46(4.1,-9.4) 47(-4.1,-9.8) 48(4.1,-10.2) 49(-4.1,-10.6) 50(4.1,-11) 51(-4.1,-11.4) 52(4.1,-11.8)
  rect 3.2x2.3 smd: 53(-3.5,-14.65) 54(-3.5,14.65)
POWERDI123
  rrect 1x1.5 smd: 1(-1.525,0)
  rrect 2.4x1.5 smd: 2(0.825,0)
PQFN8_1D27_5X6X1MM
  rrect 0.95x0.5 smd: 1(-2.8,1.905) 2(-2.8,0.635) 3(-2.8,-0.635) 4(-2.8,-1.905)
  custom 4.25x5.71 smd: 5(0.895,0)
PTH_3_3MM_6D8
  round 6.8 hole 3.3: 1(0,0)
PTH_3_73MM_5D8_PASTE
  round 5.8 hole 3.73: 1(0,0)
PTH_3_73MM_5D8_PASTE#2
  round 3.73 hole 3.73: 1(0,0)
PTH_4_2MM_5D8
  round 5.8 hole 4.2: 1(0,0)
PTH_4_2MM_5D8_TOP
  round 5.8 hole 4.2: 1(0,0)
QFN20_0D5_3X4X1MM_PAD
  rrect 0.6x0.25 smd: 1(-1.4,1.25) 2(-1.4,0.75) 3(-1.4,0.25) 4(-1.4,-0.25) 5(-1.4,-0.75) 6(-1.4,-1.25) 11(1.4,-1.25) 12(1.4,-0.75) 13(1.4,-0.25) 14(1.4,0.25) 15(1.4,0.75) 16(1.4,1.25)
  rrect 0.25x0.6 smd: 7(-0.75,-1.9) 8(-0.25,-1.9) 9(0.25,-1.9) 10(0.75,-1.9) 17(0.75,1.9) 18(0.25,1.9) 19(-0.25,1.9) 20(-0.75,1.9)
  rrect 1.7x2.7 smd: 21(0,0)
